# Altium PCB base-32-bit.PcbDoc (part 1 of 3) (continued)
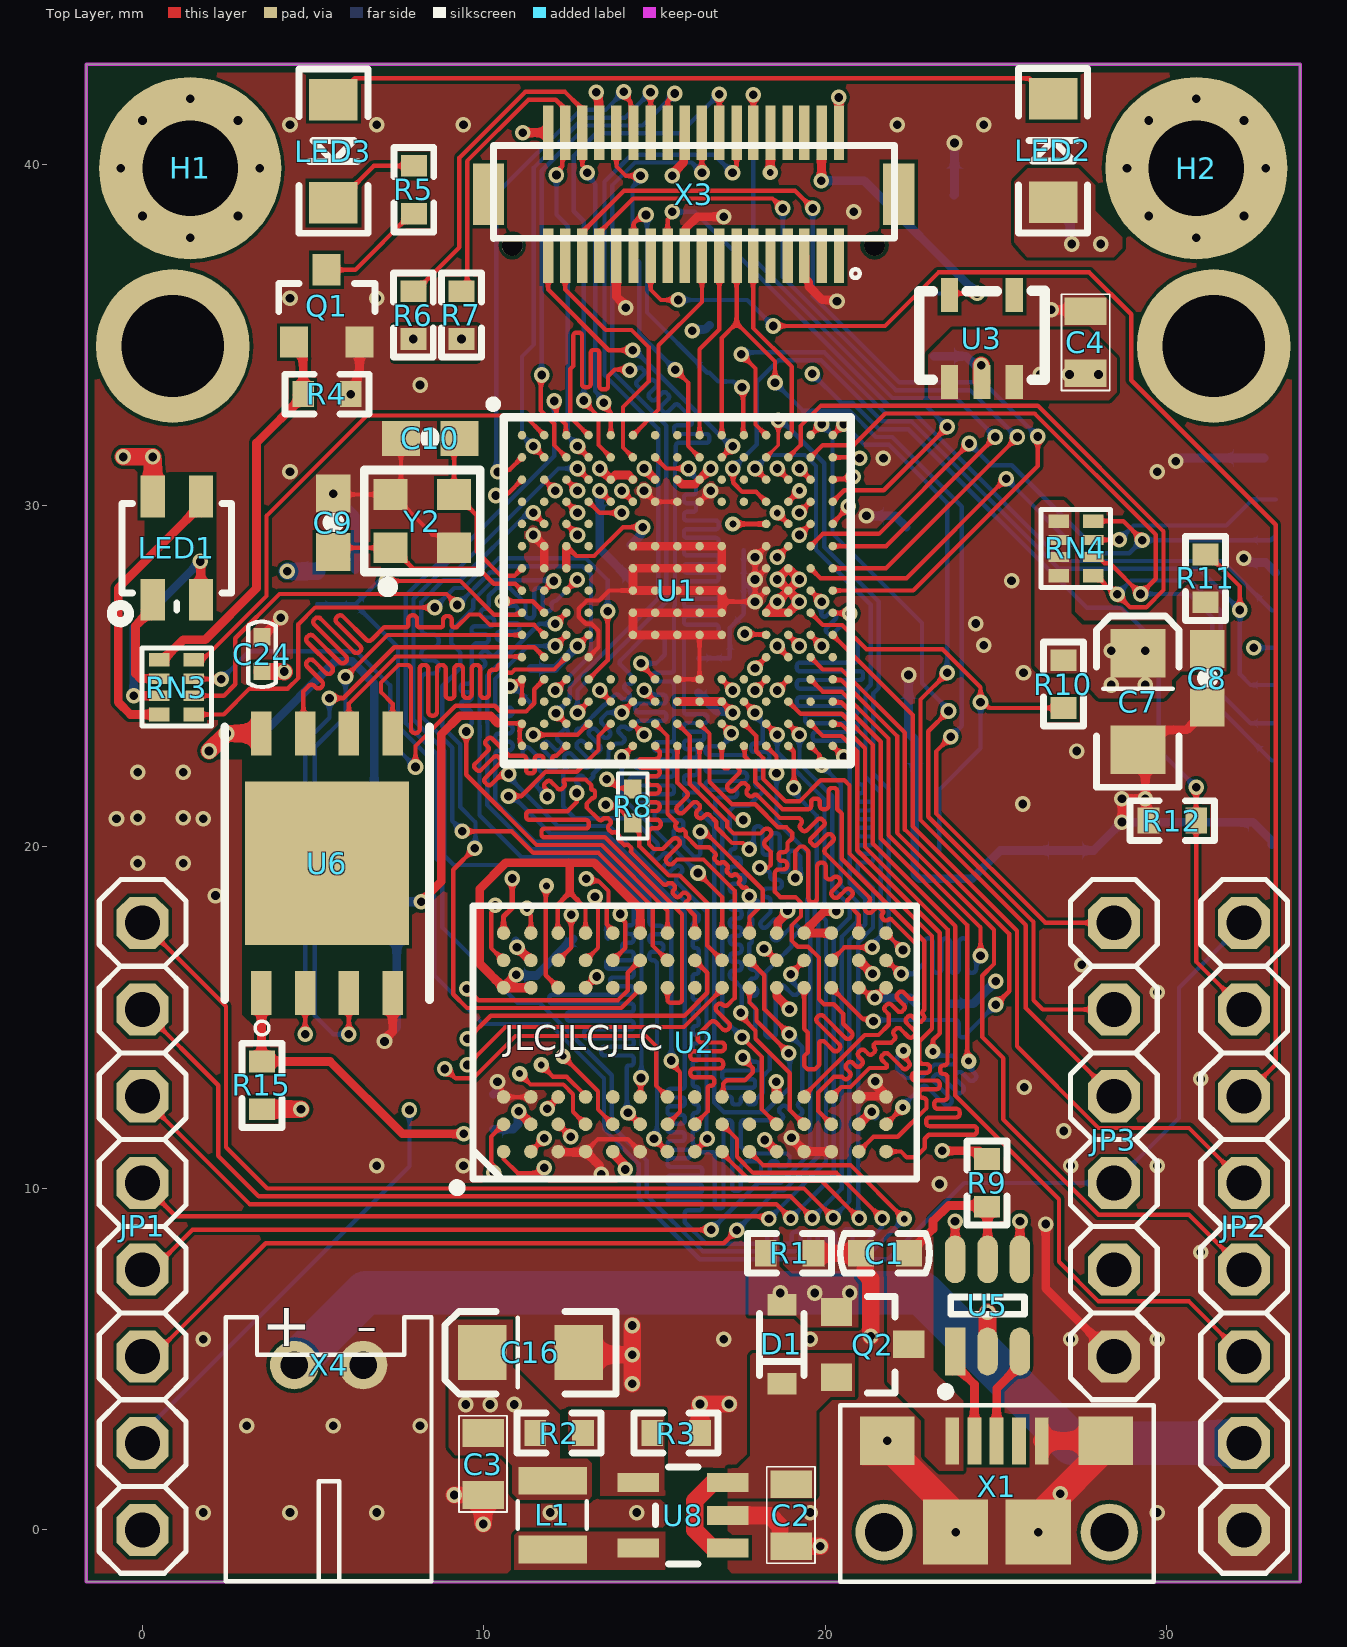
[diagram p0: Top Layer view]
## Footprints (in the part's own frame and the unit in brackets; to place one, negate y for a bottom-side part, rotate by r counter-clockwise, add the part's x,y. Pads: shape width x height; smd on the part's side, far side on the other; paste and mask are expansions set on the pad)
1X06 [mil] "1X06"
  oct 60x60 hole 40: 1(-250,0) 2(-150,0) 3(-50,0) 4(50,0) 5(150,0) 6(250,0)
  silkscreen extent -300,-50 300,50
1X08 [mil] "1X08"
  oct 60x60 hole 40: 1(-350,0) 2(-250,0) 3(-150,0) 4(-50,0) 5(50,0) 6(150,0) 7(250,0) 8(350,0)
  silkscreen extent -400,-50 400,50
2,8-PAD [mil] "2,8-PAD"
  round 210 / inner round 60 / far side round 210 hole 110.24: B2,8(0,0)
0603 [mil] "0603"
  rect 40x40 smd: 1(-31.5,0) 2(32,0)
  silkscreen extent -59,-28 60,28, body extent -31,-17 32,16, height 32
0603-CAP [mil] "0603-CAP"
  rect 44x40 smd: 1(-33.46,0) 2(34,0)
  silkscreen extent 0,-1 0,2, body extent -31,-17 32,16, height 32
0805 [mil] "0805"
  rect 32x48 smd: 1(-35.43,0) 2(36,0)
  silkscreen extent -55,-28 56,28, body extent -39,-24 39,24, height 20
1007 [mil] "1007"
  rect 79x32 smd: 1(0,40) 2(0,-39.37)
  silkscreen extent -39,-16 40,16, body extent -36,-50 35,48, height 70
1040310811 [mm]
  rect 1.2x1 smd: CD$1(11.74,10.1) CD$2(11.74,6.4)
  rect 1.55x1.35 smd: G$1(11.565,0.375)
  rect 1.17x1.8 smd: G$2(0.245,0.6)
  rect 1.9x1.35 smd: G$3(2.27,11.075) G$4(8.24,11.075)
  rect 0.85x1.1 smd: P$1(9.105,0.25) P$2(8.005,0.25) P$3(6.905,0.25) P$4(5.805,0.25) P$5(4.705,0.25) P$6(3.605,0.25) P$7(2.505,0.25)
  rect 0.75x1.1 smd: P$8(1.455,0.25)
  silkscreen extent 0,0 12,11.4, body extent 0.01,0.21 11.96,11.61, height 1.48
BGA-90-8000X13000DE [mil]
  round 15.75 smd: A1(0,0) A2(31.5,0) A3(62.99,0) A7(188.98,0) A8(220.47,0) A9(251.97,0) B1(0,-31.5) B2(31.5,-31.5) B3(62.99,-31.5) B7(188.98,-31.5) B8(220.47,-31.5) B9(251.97,-31.5) C1(0,-62.99) C2(31.5,-62.99) C3(62.99,-62.99) C7(188.98,-62.99) C8(220.47,-62.99) C9(251.97,-62.99) D1(0,-94.49) D2(31.5,-94.49) D3(62.99,-94.49) D7(188.98,-94.49) D8(220.47,-94.49) D9(251.97,-94.49) E1(0,-125.98) E2(31.5,-125.98) E3(62.99,-125.98) E7(188.98,-125.98) E8(220.47,-125.98) E9(251.97,-125.98) F1(0,-157.48) F2(31.5,-157.48) F3(62.99,-157.48) F7(188.98,-157.48) F8(220.47,-157.48) F9(251.97,-157.48) G1(0,-188.98) G2(31.5,-188.98) G3(62.99,-188.98) G7(188.98,-188.98) G8(220.47,-188.98) G9(251.97,-188.98) H1(0,-220.47) H2(31.5,-220.47) H3(62.99,-220.47) H7(188.98,-220.47) H8(220.47,-220.47) H9(251.97,-220.47) J1(0,-251.97) J2(31.5,-251.97) J3(62.99,-251.97) J7(188.98,-251.97) J8(220.47,-251.97) J9(251.97,-251.97) K1(0,-283.46) K2(31.5,-283.46) K3(62.99,-283.46) K7(188.98,-283.46) K8(220.47,-283.46) K9(251.97,-283.46) L1(0,-314.96) L2(31.5,-314.96) L3(62.99,-314.96) L7(188.98,-314.96) L8(220.47,-314.96) L9(251.97,-314.96) M1(0,-346.46) M2(31.5,-346.46) M3(62.99,-346.46) M7(188.98,-346.46) M8(220.47,-346.46) M9(251.97,-346.46) N1(0,-377.95) N2(31.5,-377.95) N3(62.99,-377.95) N7(188.98,-377.95) N8(220.47,-377.95) N9(251.97,-377.95) P1(0,-409.45) P2(31.5,-409.45) P3(62.99,-409.45) P7(188.98,-409.45) P8(220.47,-409.45) P9(251.97,-409.45) R1(0,-440.94) R2(31.5,-440.94) R3(62.99,-440.94) R7(188.98,-440.94) R8(220.47,-440.94) R9(251.97,-440.94)
  silkscreen extent -46,-476 283,58, body extent -31,-476 284,36, height 43
C0402 [mil]
  rect 20x20 smd: 1(-20,1) 2(20,1)
  silkscreen extent -38,-15 38,17, body extent -20,-9 20,11, height 21
C0603 [mil]
  rect 29.92x30 smd: 1(0,0) 2(55,0)
  silkscreen extent -24,-23 79,23, body extent -3,-16 60,16, height 32
DF12-36-DS [mil] "DF12-36-DS"
  round 24 hole 24: 1(-208.66,-59.06) 1(209,-59.06)
  rect 12x63 smd: 1(168,-70.87) 2(168,71) 3(148,-70.87) 4(148,71) 5(128,-70.87) 6(128,71) 7(109,-70.87) 8(109,71) 9(89,-70.87) 10(89,71) 11(69,-70.87) 12(69,71) 13(50,-70.87) 14(50,71) 15(30,-70.87) 16(30,71) 17(10,-70.87) 18(10,71) 19(-9.84,-70.87) 20(-9.84,71) 21(-29.53,-70.87) 22(-29.53,71) 23(-49.21,-70.87) 24(-49.21,71) 25(-68.9,-70.87) 26(-68.9,71) 27(-88.58,-70.87) 28(-88.58,71) 29(-108.27,-70.87) 30(-108.27,71) 31(-127.95,-70.87) 32(-127.95,71) 33(-147.64,-70.87) 34(-147.64,71) 35(-167.32,-70.87) 36(-167.32,71)
  rect 36x71 smd: F1(237,0) F2(-236.22,0)
  silkscreen extent -230,-96 232,56, body extent -238,-91 238,90, height 106
EIA3216 [mil] "EIA3216"
  rect 56x63 smd: A(56,0) C(-55.12,0)
  silkscreen extent -98,-47 99,48, body extent -68,-36 66,35, height 71
JST-PH-2-THM-RA [mil] "JST-PH-2-THM-RA"
  round 56 hole 32: 1(40,0) 2(-39.37,0)
  silkscreen extent -118,-55 119,249, body extent -116,-46 116,253, height 193
LED-1206 [mil] "LED-1206"
  rect 48x56 smd: A(-59.06,0) C(60,0)
  silkscreen extent -94,-39 95,40, body extent -62,-32 64,32, height 40
LED-TRICOLOR-SMD [mil] "LED-TRICOLOR-SMD"
  rect 28x48 smd: A(27.56,-60) B(-28,-60) G(-28,59.06) R(27.56,59.06)
  silkscreen extent -63,-52 75,85, body extent -55,-70 55,67, height 75
MICROUSB-RIGHT [mil] "MICROUSB-RIGHT"
  rect 16x54 smd: 1(-51.18,50) 2(-25.59,50) 3(0,50) 4(26,50) 5(52,50)
  rect 63x56 smd: S(-125.98,50) S(126,50)
  rect 75x75 smd: S(-47.24,-55.31) S(48,-55.31)
  round 66 hole 44: S1(-129.92,-55.31) S2(130,-55.31)
  silkscreen extent -180,-112 181,91, body extent -159,-157 159,62, height 107
OSC-SMD_4P-L2.5-W2.0-BL [mm]
  rect 1x0.9 smd: 1(-0.93,-0.78) 2(0.93,-0.78) 3(0.93,0.78) 4(-0.93,0.78)
  silkscreen extent -1.7,-2.08 1.7,1.5, body extent -1.22,-1.03 1.28,0.97, height 0.55
R0402 [mil]
  rect 22x20 smd: 1(0,0) 2(39,0)
  silkscreen extent -18,-17 57,17, body extent 0,-10 40,10, height 12
R0603 [mil]
  rect 25x30 smd: 1(0,0) 2(55,0)
  silkscreen extent -21,-23 76,23, body extent -3,-16 60,16, height 16
RCA-8P4R-0402 [mm] "2mm*1mm*0.45mm(长*宽*厚)"
  rect 0.4x0.6 smd: 1(-0.8,-0.5) 4(0.8,-0.5) 5(0.8,0.5) 8(-0.8,0.5)
  rect 0.3x0.6 smd: 2(-0.25,-0.5) 3(0.25,-0.5) 6(0.25,0.5) 7(-0.25,0.5)
  silkscreen extent -1.14,-1.02 1.15,1.01, body extent -1,-0.5 1,0.5, height 0.45
SOD-323 [mil] "SOD-323"
  rect 25x33 smd: 1(-45.28,0) 2(46,0)
  silkscreen extent -35,-26 36,26, body extent -53,-26 53,27, height 31
SOT23-3 [mil] "SOT23-3"
  rect 32x36 smd: 1(-37.4,-39.37) 2(38,-39.37) 3(0,44)
  silkscreen extent -55,-4 56,28, body extent -57,-48 58,50, height 40
SOT-23-5 [mm]
  rect 0.508x1 smd: 1(0,0) 2(0.95,0) 3(1.9,0) 4(1.9,2.54) 5(0,2.54)
  silkscreen extent -0.89,0.06 2.79,2.67, body extent -0.5,-0.12 2.4,2.68, height 1.45
SOT-23-6 [mm]
  rect 0.6x1.4 smd: 1(0,0)
  oval 0.6x1.4 smd: 2(0.95,0) 3(1.9,0) 4(1.9,2.7) 5(0.95,2.7) 6(0,2.7)
  silkscreen extent -0.4,-1.3 2.03,1.6, body extent -0.46,0.14 2.34,2.57, height 1.07
TSOT25 [mil] "TSOT25"
  rect 22x48 smd: 1(0,0) 2(37.4,0) 3(75.4,0) 4(75.4,103.18) 5(0,103.18)
  silkscreen extent -19,34 93,83, body extent -20,1 94,111, height 37
UFBGA-201_L10.0-W10.0-P0.65-TL_STM32H743IIK6 [mm]
  round 0.25 smd: A1(-4.274,4.528) A2(-3.624,4.528) A3(-2.974,4.528) A4(-2.324,4.528) A5(-1.674,4.528) A6(-1.024,4.528) A7(-0.374,4.528) A8(0.276,4.528) A9(0.926,4.528) A10(1.576,4.528) A11(2.226,4.528) A12(2.876,4.528) A13(3.526,4.528) A14(4.176,4.528) A15(4.826,4.528) B1(-4.274,3.878) B2(-3.624,3.878) B3(-2.974,3.878) B4(-2.324,3.878) B5(-1.674,3.878) B6(-1.024,3.878) B7(-0.374,3.878) B8(0.276,3.878) B9(0.926,3.878) B10(1.576,3.878) B11(2.226,3.878) B12(2.876,3.878) B13(3.526,3.878) B14(4.176,3.878) B15(4.826,3.878) C1(-4.274,3.228) C2(-3.624,3.228) C3(-2.974,3.228) C4(-2.324,3.228) C5(-1.674,3.228) C6(-1.024,3.228) C7(-0.374,3.228) C8(0.276,3.228) C9(0.926,3.228) C10(1.576,3.228) C11(2.226,3.228) C12(2.876,3.228) C13(3.526,3.228) C14(4.176,3.228) C15(4.826,3.228) D1(-4.274,2.578) D2(-3.624,2.578) D3(-2.974,2.578) D4(-2.324,2.578) D5(-1.674,2.578) D6(-1.024,2.578) D7(-0.374,2.578) D8(0.276,2.578) D9(0.926,2.578) D10(1.576,2.578) D11(2.226,2.578) D12(2.876,2.578) D13(3.526,2.578) D14(4.176,2.578) D15(4.826,2.578) E1(-4.274,1.928) E2(-3.624,1.928) E3(-2.974,1.928) E4(-2.324,1.928) E12(2.876,1.928) E13(3.526,1.928) E14(4.176,1.928) E15(4.826,1.928) F1(-4.274,1.278) F2(-3.624,1.278) F3(-2.974,1.278) F4(-2.324,1.278) F6(-1.024,1.278) F7(-0.374,1.278) F8(0.276,1.278) F9(0.926,1.278) F10(1.576,1.278) F12(2.876,1.278) F13(3.526,1.278) F14(4.176,1.278) F15(4.826,1.278) G1(-4.274,0.628) G2(-3.624,0.628) G3(-2.974,0.628) G4(-2.324,0.628) G6(-1.024,0.628) G7(-0.374,0.628) G8(0.276,0.628) G9(0.926,0.628) G10(1.576,0.628) G12(2.876,0.628) G13(3.526,0.628) G14(4.176,0.628) G15(4.826,0.628) H1(-4.274,-0.022) H2(-3.624,-0.022) H3(-2.974,-0.022) H4(-2.324,-0.022) H6(-1.024,-0.022) H7(-0.374,-0.022) H8(0.276,-0.022) H9(0.926,-0.022) H10(1.576,-0.022) H12(2.876,-0.022) H13(3.526,-0.022) H14(4.176,-0.022) H15(4.826,-0.022) J1(-4.274,-0.672) J2(-3.624,-0.672) J3(-2.974,-0.672) J4(-2.324,-0.672) J6(-1.024,-0.672) J7(-0.374,-0.672) J8(0.276,-0.672) J9(0.926,-0.672) J10(1.576,-0.672) J12(2.876,-0.672) J13(3.526,-0.672) J14(4.176,-0.672) J15(4.826,-0.672) K1(-4.274,-1.322) K2(-3.624,-1.322) K3(-2.974,-1.322) K4(-2.324,-1.322) K6(-1.024,-1.322) K7(-0.374,-1.322) K8(0.276,-1.322) K9(0.926,-1.322) K10(1.576,-1.322) K12(2.876,-1.322) K13(3.526,-1.322) K14(4.176,-1.322) K15(4.826,-1.322) L1(-4.274,-1.972) L2(-3.624,-1.972) L3(-2.974,-1.972) L4(-2.324,-1.972) L12(2.876,-1.972) L13(3.526,-1.972) L14(4.176,-1.972) L15(4.826,-1.972) M1(-4.274,-2.622) M2(-3.624,-2.622) M3(-2.974,-2.622) M4(-2.324,-2.622) M5(-1.674,-2.622) M6(-1.024,-2.622) M7(-0.374,-2.622) M8(0.276,-2.622) M9(0.926,-2.622) M10(1.576,-2.622) M11(2.226,-2.622) M12(2.876,-2.622) M13(3.526,-2.622) M14(4.176,-2.622) M15(4.826,-2.622) N1(-4.274,-3.272) N2(-3.624,-3.272) N3(-2.974,-3.272) N4(-2.324,-3.272) N5(-1.674,-3.272) N6(-1.024,-3.272) N7(-0.374,-3.272) N8(0.276,-3.272) N9(0.926,-3.272) N10(1.576,-3.272) N11(2.226,-3.272) N12(2.876,-3.272) N13(3.526,-3.272) N14(4.176,-3.272) N15(4.826,-3.272) P1(-4.274,-3.922) P2(-3.624,-3.922) P3(-2.974,-3.922) P4(-2.324,-3.922) P5(-1.674,-3.922) P6(-1.024,-3.922) P7(-0.374,-3.922) P8(0.276,-3.922) P9(0.926,-3.922) P10(1.576,-3.922) P11(2.226,-3.922) P12(2.876,-3.922) P13(3.526,-3.922) P14(4.176,-3.922) P15(4.826,-3.922) R1(-4.274,-4.572) R2(-3.624,-4.572) R3(-2.974,-4.572) R4(-2.324,-4.572) R5(-1.674,-4.572) R6(-1.024,-4.572) R7(-0.374,-4.572) R8(0.276,-4.572) R9(0.926,-4.572) R10(1.576,-4.572) R11(2.226,-4.572) R12(2.876,-4.572) R13(3.526,-4.572) R14(4.176,-4.572) R15(4.826,-4.572)
  silkscreen extent -5.22,-5.1 5.36,5.54, body extent -4.75,-5 5.25,5, height 0.67
WSON-8_L8.0-W6.10-P1.27-BL-EP [mm]
  rect 4.8x4.8 smd: 0(0,0)
  rect 0.6x1.3 smd: 1(-1.92,-3.8) 2(-0.64,-3.8) 3(0.64,-3.8) 4(1.92,-3.8) 5(1.92,3.8) 6(0.64,3.8) 7(-0.64,3.8) 8(-1.92,3.8)
  silkscreen extent -3,-5.03 3,4, body extent -3,-3.99 3,4.01, height 0.81

## Part data
C1 C2 C3 C4 C5: library part CAP0805, "CapacitorStandard 0603 ceramic capacitor, and 0.1\" leaded capacitor."
C6 C7 C16: library part CAP_POL1206, "Capacitor PolarizedThese are standard SMD and PTH capacitors. Normally 10uF, 47uF, and 100uF in electrolytic and tantalum varieties. Always verify the external diameter of the through hole cap, it varies with capacity, voltage, and manufacturer. The EIA devices should be standard."
C8 C9 C10 C11 C12: library part CAP0603-CAP, "CapacitorStandard 0603 ceramic capacitor, and 0.1\" leaded capacitor."
C13 C14 C15 C17 C18 C19 C20 C21 C22 C23 C24 C25 C26 C27 C28 C29 C30: library part CAP0402-CAP, "CapacitorStandard 0603 ceramic capacitor, and 0.1\" leaded capacitor."
D1: library part DIODESOD, "DiodeThese are standard reverse protection diodes and small signal diodes. SMA package can handle up to about 1A. SOD-323 can handle about 200mA. What the SOD-323 package when ordering, there are some mfgs out there that are 5-pin packages."
H1 H2: "MOUNTING PAD, round"
JP1 JP2 JP3: "PIN HEADER"
L1: library part INDUCTOR1007, "InductorsBasic Inductor/Choke - 0603 and 1206. Footprints are not proven and vary greatly between part numbers."
L2: library part INDUCTOR0603, "InductorsBasic Inductor/Choke - 0603 and 1206. Footprints are not proven and vary greatly between part numbers."
LED1: "Tri-Color LED SMDProven layout and schematic for triple color LED in SMD package - common anode. Spark Fun Electronics SKU : COM-07844"
LED2 LED3: library part LED1206, "LEDsStandard schematic elements and footprints for 5mm, 3mm, 1206, and 0603 sized LEDs. 5mm - Spark Fun Electronics SKU : COM-00529 (and others)"
Q1: library part MOSFET-NCHANNELSMD
Q2: library part MOSFET-PCHANNELSMD
R1 R2 R3 R4 R5 R6 R7 R9 R10 R11 R12 R13 R14: library part RESISTOR0603-RES, "ResistorBasic schematic elements and footprints for 0603, 1206, and PTH resistors."
R8 R15: library part RESISTOR0402-RES, "ResistorBasic schematic elements and footprints for 0603, 1206, and PTH resistors."
RN3 RN4: library part 排阻_4P
U1: BOM_Manufacturer=STMicroelectronics, BOM_Manufacturer Part=STM32H743IIK6, BOM_Supplier=LCSC, BOM_Supplier Part=C129442, Contributor=LCSC, spicePre=U, spiceSymbolName=STM32H743IIK6, subpart_no=2
U3: BOM_LCSC Assembly=Yes, BOM_Manufacturer=MICRONE, BOM_Manufacturer Part=ME6211C33M5G-N, BOM_Supplier=LCSC, BOM_Supplier Part=C82942, image=//image.lceda.cn/szlcsc/C82942.jpg, SMT Type=Extend, spicePre=L, spiceSymbolName=ME6211C33M5G-N
U5: BOM_LCSC Assembly=Yes, BOM_Manufacturer=STMicroelectronics, BOM_Manufacturer Part=USBLC6-2SC6, BOM_Supplier=LCSC, BOM_Supplier Part=C7519, image=//image.lceda.cn/szlcsc/C7519.jpg, SMT Type=Extend, spicePre=D, spiceSymbolName=USBLC6-2SC6
U6: library part W25Q128JVSQ
U8: library part PAM2305AAB330
X1: library part USB_MICRO_RIGHT, "Library:  MF_Connectors Description: 5 Pin USB Connectors. SLD is the shield connection. Usually tied to ground through a small ferrite bead."
X4: library part JST_2PIN-THM-RA, "JST 2-Pin Connectors of various flavors SMT-RA (S2B-PH-SM4) 4UConnector #17311  SMT  (B2B-PH-SM4)  THM-RA (S2B-PH)  THM  (B2B-PH)"
Y2: library part XTAL-NV-4

## Free pads (board coordinates)
  round 4.5 / inner round 1.524 / far side round 4.5 hole 3: P$1(0.889,34.671) P$1(31.369,34.671)

## Via types
v1: diameter 0.457, hole 0.254, Top Layer to Bottom Layer, tented both sides, 295 vias
v2: diameter 0.457, hole 0.254, Top Layer to Bottom Layer, 36 vias
v3: diameter 0.457/0.457/0.457/0.457 (per signal layer), hole 0.254, Top Layer to Bottom Layer, tented both sides, 16 vias
v4: diameter 0.45, hole 0.203, Top Layer to Bottom Layer, tented both sides, 14 vias

## Nets (pads, with @x,y where several pads share a name; then routed paths per layer and width w, separated by ;. In a path a pad name is that pad's centre, name@x,y a point inside that pad or via, vN(x,y) a via of type N, cw(c..) or ccw(c..) an arc to the next point about the centre after c; other vN are vias at no path point)
BOOT0: JP2.2 R12.2 U1.D6 | length 33
  Top Layer w0.127: v1(14.038,30.435) U1.D6@14.363,30.11 ; v1(30.855,21.747) R12.2@30.855,20.769 30.855,16.643 JP2.2@32.258,15.24
  PWR w0.127: v1(14.038,30.435) 14.038,30.992 17.035,33.989 19.398,33.989 19.525,33.862 v1(19.615,33.862)
  Bottom Layer w0.127: v1(19.615,33.862) 20.469,33.007 20.796,33.007 21.567,32.236 22.428,32.236 27.66,27.004 28.668,27.004 29.762,25.909 29.762,22.84 v1(30.855,21.747)
DAC: JP1.7 U1.P4 | length 27.2
  Top Layer w0.127: v1(11.438,23.285) 12.738,23.285 U1.P4@13.063,23.61
  PWR w0.127: v1(7.816,12.297) 7.816,14.814 9.144,16.142 9.144,18.6 11.176,20.632 11.176,23.023 v1(11.438,23.285)
  Bottom Layer w0.127: JP1.7@0,2.54 0,2.831 7.816,10.647 v1(7.816,12.297)
DCMI_CLK: U1.F15 X3.12 | length 21.2
  Top Layer w0.127: X3.12@17.882,40.919 17.884,40.922 17.884,42.025 v1(17.887,42.028) ; U1.F15@20.213,28.81 21.777,28.81 v1(24.974,32.008)
  Bottom Layer w0.127: v1(17.887,42.028) 17.887,37.23 21.967,33.151 23.831,33.151 v1(24.974,32.008)
DCMI_D0: U1.H15 X3.31 | length 27.4
  Top Layer w0.127: X3.31@12.879,37.316 12.879,37.964 12.967,38.051 12.967,38.09 14.098,39.221 19.107,39.221 v1(19.627,38.7) ; U1.H15@20.213,27.51 22.57,27.51 26.219,31.159 v1(26.219,32.02)
  Bottom Layer w0.127: v1(19.627,38.7) 19.627,36.137 22.157,33.608 24.631,33.608 v1(26.219,32.02)
DCMI_D1: U1.G15 X3.29 | length 24.4
  Top Layer w0.127: X3.29@13.379,37.316 13.379,38.002 14.37,38.993 18.45,38.993 18.742,38.7 v1(18.751,38.7) ; U1.G15@20.213,28.16 21.774,28.16 v1(25.622,32.008)
  Bottom Layer w0.127: v1(18.751,38.7) 18.751,36.69 22.062,33.379 24.23,33.379 25.601,32.008 v1(25.622,32.008)
DCMI_D2: U1.B10 X3.35 | length 8.8
  Top Layer w0.127: X3.35@11.879,37.316 11.879,36.325 13.657,34.548 v1(14.357,34.548) ; U1.B10@16.963,31.41 v1(17.288,31.735)
  Bottom Layer w0.127: v1(14.357,34.548) 14.416,34.548 17.229,31.735 v1(17.288,31.735)
DCMI_D3: U1.B9 X3.28 | length 11
  Top Layer w0.127: X3.28@13.879,40.919 13.879,39.929 14.155,39.653 v1(14.585,39.653) ; v1(15.601,33.976) 15.977,33.6 15.977,31.746 U1.B9@16.313,31.41
  Bottom Layer w0.127: v1(14.585,39.653) 14.585,39.564 14.351,39.329 14.351,37.322 14.547,37.126 14.547,35.03 v1(15.601,33.976)
DCMI_D4: U1.B1 X3.26 | length 15.3
  Top Layer w0.127: v1(10.402,30.984) 10.465,31.047 10.75,31.047 U1.B1@11.113,31.41 ; v1(14.09,42.117) 14.09,42.027 14.29,41.827 14.29,41.008 X3.26@14.379,40.919
  Bottom Layer w0.127: v1(10.402,30.984) 10.359,31.027 10.359,39.119 12.826,41.586 13.559,41.586 v1(14.09,42.117)
DCMI_D5: U1.B6 X3.33 | length 7.8
  Top Layer w0.127: X3.33@12.379,37.316 12.379,36.325 13.563,35.141 14.32,35.141 14.821,34.64 14.821,33.631 14.073,32.883 14.073,31.7 U1.B6@14.363,31.41
DCMI_D6: U1.B2 X3.24 | length 14.4
  Top Layer w0.127: v1(11.438,31.735) U1.B2@11.763,31.41 ; X3.24@14.879,40.919 v1@14.878,42.103
  Bottom Layer w0.127: v1(11.438,31.735) 11.112,32.061 11.112,34.366 11.461,34.715 11.461,39.898 12.921,41.357 14.131,41.357 v1(14.877,42.104)
DCMI_D7: U1.B3 X3.22 | length 14.8
  Top Layer w0.127: v1(11.69,33.824) 11.664,33.798 11.664,32.781 12.053,32.392 12.053,31.77 U1.B3@12.413,31.41 ; X3.22@15.379,40.919 15.379,41.839 15.589,42.049 v1(15.589,42.066)
  Bottom Layer w0.127: v1(11.69,33.824) 11.69,39.803 13.015,41.129 14.651,41.129 v1(15.589,42.066)
DCMI_FSIN: JP2.3 X3.23 | length 41.7
  Top Layer w0.127: X3.23@14.879,37.316 14.879,36.325 15.184,36.021 v1(15.69,36.021) ; v1(18.472,35.259) 21.743,35.259 23.311,36.827 27.727,36.827 28.954,35.6 28.954,33.671 33.185,29.439 33.185,13.627 JP2.3@32.258,12.7
  Bottom Layer w0.127: v1(15.69,36.021) 17.71,36.021 v1(18.472,35.259)
DCMI_HSYNC: U1.N4 X3.18 | length 21.8
  Top Layer w0.127: v1(12.738,23.935) U1.N4@13.063,24.26 ; v1(16.383,39.749) X3.18@16.383,40.919
  Bottom Layer w0.127: v1(12.738,23.935) 12.738,24.588 15.335,27.185 15.335,32.34 13.76,33.915 13.76,39.384 14.422,40.047 16.085,40.047 v1(16.383,39.749)
DCMI_PCLK: U1.P3 X3.14 | length 23.4
  Top Layer w0.127: v1(12.109,23.918) v1(12.109,23.918) 12.413,23.612 U1.P3@12.413,23.61 ; v1(17.278,39.742) 17.278,39.831 17.399,39.952 X3.14@17.399,40.919
  Bottom Layer w0.127: v1(12.109,23.918) 12.509,24.318 12.509,24.683 15.106,27.28 15.106,32.245 13.531,33.82 13.531,39.479 14.328,40.275 16.744,40.275 v1(17.278,39.742)
DCMI_PWDN: R14.1 U1.A11 X3.25 | length 9.4
  Top Layer w0.127: X3.25@14.379,37.316 14.382,37.319 14.382,38.269 14.561,38.447 14.681,38.447 v1(14.744,38.51) ; v1(17.557,33.468) 17.59,33.436 17.59,32.083 U1.A11@17.613,32.06
  Bottom Layer w0.127: v1(14.744,38.51) 14.776,38.479 14.776,35.652 16.541,33.887 R14.1@16.605,33.887 16.859,33.633 17.303,33.633 17.468,33.468 v1(17.557,33.468)
DCMI_RST: U1.D15 X3.21 | length 16.3
  Top Layer w0.127: X3.21@15.379,37.316 15.379,38.376 15.512,38.509 v1(15.512,38.599) ; U1.D15@20.213,30.11 20.549,30.445 21.707,30.445 v1(23.564,32.303)
  Bottom Layer w0.127: v1(15.512,38.599) 16.174,38.599 21.838,32.935 21.86,32.935 21.873,32.922 22.945,32.922 v1(23.564,32.303)
DCMI_VSYNC: U1.B5 X3.16 | length 15.4
  Top Layer w0.127: v1(12.922,33.074) 12.922,33.038 13.353,32.607 13.353,31.77 U1.B5@13.713,31.41 ; X3.16@16.891,40.919 v1(16.891,42.047)
  Bottom Layer w0.127: v1(12.922,33.074) 12.922,38.323 12.63,38.615 12.63,40.239 13.29,40.9 15.744,40.9 v1(16.891,42.047)
DRAM_A0: U1.E2 U2.G8 | length 21.7
  Top Layer w0.127: v1(9.359,20.457) 10.816,20.457 11.445,19.828 13.352,19.828 14.939,18.241 14.939,17.115 U2.G8@15.374,16.68 ; v1(11.438,29.785) U1.E2@11.763,29.46
  Bottom Layer w0.127: v1(9.359,20.457) 9.359,20.478 9.074,20.764 9.074,22.911 8.166,23.818 8.166,24.909 cw(c8.338,24.909) 8.338,25.08 8.503,25.08 ccw(c8.503,25.252) 8.674,25.252 8.674,25.29 ccw(c8.503,25.29) 8.503,25.461 8.338,25.461 cw(c8.338,25.633) 8.166,25.633 8.166,25.671 cw(c8.338,25.671) 8.338,25.842 8.503,25.842 ccw(c8.503,26.014) 8.674,26.014 8.674,26.052 ccw(c8.503,26.052) 8.503,26.223 8.338,26.223 cw(c8.338,26.395) 8.166,26.395 8.166,27.176 8.803,27.813 9.303,27.813 11.275,29.785 v1(11.438,29.785)
DRAM_A1: U1.H3 U2.G9 | length 21.9
  Top Layer w0.127: v1(9.48,23.384) 9.48,22.116 11.539,20.057 13.447,20.057 15.374,18.13 U2.G9@15.374,17.48 ; U1.H3@12.413,27.51 v1(12.731,27.829)
  Bottom Layer w0.127: v1@9.429,23.513 cw(c9.429,23.463) v1@9.48,23.463 ; v1(9.48,23.384) v1@9.48,23.463 ; v1(12.731,27.829) 12.105,27.203 12.093,27.203 ccw(c12.093,27.089) 11.978,27.089 11.978,27.014 cw(c11.864,27.014) 11.864,26.899 11.839,26.899 cw(c11.839,27.014) 11.724,27.014 11.724,27.474 ccw(c11.61,27.474) 11.61,27.588 11.585,27.588 ccw(c11.585,27.474) 11.47,27.474 11.47,26.81 cw(c11.356,26.81) 11.356,26.695 11.331,26.695 cw(c11.331,26.81) 11.216,26.81 11.216,27.129 10.757,27.588 10.371,27.588 10.14,27.357 10.14,27.091 cw(c10.026,27.091) 10.026,26.976 10.021,26.976 ccw(c10.021,26.862) 9.907,26.862 9.907,26.837 ccw(c10.021,26.837) 10.021,26.722 10.191,26.722 cw(c10.191,26.608) 10.305,26.608 10.305,26.583 cw(c10.191,26.583) 10.191,26.468 9.747,26.468 ccw(c9.747,26.354) 9.632,26.354 9.632,26.341 ccw(c9.747,26.341) 9.747,26.227 10.026,26.227 cw(c10.026,26.113) 10.14,26.113 10.14,26.087 cw(c10.026,26.087) 10.026,25.973 9.755,25.973 9.639,25.857 9.639,24.898 cw(c9.525,24.898) 9.525,24.783 9.429,24.783 ccw(c9.429,24.669) 9.315,24.669 9.315,24.644 ccw(c9.429,24.644) 9.429,24.529 9.525,24.529 cw(c9.525,24.415) 9.639,24.415 9.639,24.39 cw(c9.525,24.39) 9.525,24.275 9.429,24.275 ccw(c9.429,24.161) 9.315,24.161 9.315,24.136 ccw(c9.429,24.136) 9.429,24.021 9.525,24.021 cw(c9.525,23.907) 9.639,23.907 9.639,23.622 v1@9.48,23.463
DRAM_A2: U1.H2 U2.F7 | length 21.7
  Top Layer w0.127: v1(9.734,19.968) 9.099,19.333 9.099,15.69 9.503,15.286 14.02,15.286 14.574,15.841 U2.F7@14.574,15.88 ; U1.H2@11.763,27.51 v1(12.045,27.791)
  Bottom Layer w0.127: v1(9.734,19.968) 9.753,19.987 9.753,20.721 9.302,21.172 9.302,23.005 8.776,23.532 8.776,24.704 9.309,25.238 9.309,25.692 9.039,25.962 9.039,26.336 9.681,26.979 9.681,27.221 10.276,27.817 12.02,27.817 v1(12.045,27.791)
DRAM_A3: U1.J2 U2.F3 | length 21.7
  Top Layer w0.127: v1(10.534,27.194) 11.429,27.194 U1.J2@11.763,26.86 ; U2.F3@14.574,12.68 14.586,12.692 14.586,13.225 v1(14.598,13.237)
  Bottom Layer w0.127: v1(10.534,27.194) 10.534,27.182 ccw(c10.648,27.182) 10.648,27.067 10.873,27.067 cw(c10.873,26.953) 10.988,26.953 10.988,26.928 cw(c10.873,26.928) 10.873,26.813 10.648,26.813 ccw(c10.648,26.699) 10.534,26.699 10.534,26.674 ccw(c10.648,26.674) 10.648,26.559 10.928,26.559 cw(c10.928,26.445) 11.042,26.445 11.042,26.42 cw(c10.928,26.42) 10.928,26.305 10.483,26.305 ccw(c10.483,26.191) 10.369,26.191 10.369,26.166 ccw(c10.483,26.166) 10.483,26.051 cw(c10.483,26) 10.534,26 10.534,25.825 10.346,25.636 cw(c10.265,25.717) 10.184,25.636 10.109,25.711 ccw(c10.028,25.63) 9.948,25.711 9.93,25.693 ccw(c10.01,25.612) 9.93,25.531 10.004,25.457 cw(c9.923,25.376) 10.004,25.295 9.868,25.159 9.868,23.553 9.874,23.547 9.874,23.221 9.868,23.215 9.868,20.93 11.096,19.701 13.3,19.701 14.611,18.39 14.611,13.25 v1(14.598,13.237)
DRAM_A4: U1.J3 U2.G1 | length 21.8
  Top Layer w0.127: v1(12.088,26.535) U1.J3@12.413,26.86 ; v1(14.979,11.459) 14.987,11.459 15.366,11.08 U2.G1@15.374,11.08
  Bottom Layer w0.127: v1(12.088,26.535) 11.617,26.535 10.096,25.015 10.096,23.648 10.102,23.642 10.102,23.126 10.096,23.121 10.096,21.231 11.397,19.93 13.394,19.93 14.839,18.485 14.839,17.812 ccw(c14.954,17.812) 14.954,17.697 15.144,17.697 cw(c15.144,17.583) 15.258,17.583 15.258,17.558 cw(c15.144,17.558) 15.144,17.443 14.954,17.443 ccw(c14.954,17.329) 14.839,17.329 14.839,17.304 ccw(c14.954,17.304) 14.954,17.189 15.144,17.189 cw(c15.144,17.075) 15.258,17.075 15.258,17.05 cw(c15.144,17.05) 15.144,16.935 14.954,16.935 ccw(c14.954,16.821) 14.839,16.821 ; 14.839,16.796 ccw(c14.954,16.796) 14.954,16.681 cw(c14.954,16.567) 15.068,16.567 15.068,11.472 14.966,11.472 v1(14.979,11.459)
DRAM_A5: U1.K3 U2.G2 | length 21.7
  Top Layer w0.127: v1(12.088,25.885) U1.K3@12.413,26.21 ; U2.G2@15.374,11.88 15.739,12.245 15.739,13.404 15.487,13.657 v1(15.487,13.745)
  Bottom Layer w0.127: v1(12.088,25.885) 11.29,25.885 10.325,24.92 10.325,24.219 10.331,24.213 10.331,24.2 ccw(c10.445,24.2) 10.445,24.086 10.725,24.086 cw(c10.725,23.972) 10.839,23.972 10.839,23.946 cw(c10.725,23.946) 10.725,23.832 10.445,23.832 ccw(c10.445,23.718) 10.331,23.718 10.331,23.692 ccw(c10.445,23.692) 10.445,23.578 10.725,23.578 cw(c10.725,23.464) 10.839,23.464 10.839,23.438 cw(c10.725,23.438) 10.725,23.324 10.445,23.324 ccw(c10.445,23.21) 10.331,23.21 10.331,23.197 ccw(c10.445,23.197) 10.445,23.083 10.725,23.083 cw(c10.725,22.969) 10.839,22.969 10.839,22.943 cw(c10.725,22.943) 10.725,22.829 10.445,22.829 ccw(c10.445,22.715) 10.331,22.715 10.331,22.3 10.33,22.299 10.33,21.973 10.331,21.972 10.331,21.657 10.325,21.651 10.325,21.325 11.492,20.158 13.489,20.158 15.487,18.16 v1(15.487,13.745)
DRAM_A6: U1.P6 U2.G3 | length 21.8
  Top Layer w0.127: v1(8.852,13.5) 8.893,13.5 9.169,13.224 9.681,13.224 10.922,14.465 14.745,14.465 15.042,14.168 15.042,13.013 U2.G3@15.374,12.68 ; U1.P6@14.363,23.61 v1(14.688,23.285)
  PWR w0.127: v1(8.852,13.5) 8.687,13.665 8.687,14.49 9.937,15.741 9.937,18.747 12.249,21.058 12.249,21.668 13.61,23.029 14.352,23.029 14.608,23.285 v1(14.688,23.285)
DRAM_A7: U1.N6 U2.H1 | length 21.8
  Top Layer w0.127: v1(14.038,23.935) U1.N6@14.363,24.26 ; U2.H1@16.174,11.086 v1@16.541,11.453
  Bottom Layer w0.127: v1(14.038,23.935) 13.618,23.935 13.46,23.777 ccw(c13.541,23.696) 13.46,23.615 13.672,23.403 cw(c13.591,23.322) 13.672,23.242 13.654,23.224 cw(c13.573,23.304) 13.492,23.224 13.28,23.435 ccw(c13.199,23.355) 13.119,23.435 13.101,23.417 ccw(c13.181,23.337) 13.101,23.256 13.382,22.974 cw(c13.301,22.893) 13.382,22.813 13.364,22.795 cw(c13.283,22.875) 13.203,22.795 12.921,23.076 ccw(c12.84,22.995) 12.759,23.076 12.741,23.058 ccw(c12.822,22.977) 12.741,22.897 13.102,22.536 cw(c13.021,22.455) 13.102,22.374 13.084,22.356 cw(c13.003,22.437) 12.922,22.356 12.562,22.717 ccw(c12.481,22.636) 12.4,22.717 12.382,22.699 ccw(c12.463,22.618) 12.382,22.537 12.446,22.474 cw(c12.381,22.408) 12.446,22.343 12.325,22.222 12.325,21.178 12.658,20.844 14.338,20.844 15.059,20.123 cw(c14.979,20.042) 15.059,19.961 14.938,19.84 ccw(c15.019,19.76) 14.938,19.679 14.956,19.661 ccw(c15.037,19.742) 15.118,19.661 15.239,19.782 cw(c15.32,19.701) 15.401,19.782 15.419,19.764 cw(c15.338,19.683) 15.419,19.602 15.298,19.481 ccw(c15.378,19.4) 15.298,19.32 15.316,19.302 ccw(c15.396,19.382) 15.477,19.302 15.598,19.423 cw(c15.679,19.342) 15.76,19.423 15.778,19.405 cw(c15.697,19.324) 15.778,19.243 15.657,19.122 ccw(c15.738,19.041) 15.657,18.96 15.675,18.942 16.516,18.101 16.516,11.483 v1(16.541,11.459)
DRAM_A8: U1.R7 U2.H2 | length 23
  Top Layer w0.127: U1.R7@15.013,22.96 15.013,22.927 15.144,22.795 15.144,22.693 cw(c15.03,22.693) 15.03,22.579 14.619,22.579 ccw(c14.619,22.465) 14.505,22.465 14.505,22.439 ccw(c14.619,22.439) 14.619,22.325 15.03,22.325 cw(c15.03,22.211) 15.144,22.211 15.144,22.185 cw(c15.03,22.185) 15.03,22.071 14.89,22.071 ccw(c14.89,21.957) 14.776,21.957 14.776,21.931 ccw(c14.89,21.931) 14.89,21.817 15.03,21.817 cw(c15.03,21.703) 15.144,21.703 15.144,21.677 cw(c15.03,21.677) 15.03,21.563 14.89,21.563 ccw(c14.89,21.449) 14.776,21.449 14.776,21.423 ccw(c14.89,21.423) 14.89,21.309 15.03,21.309 cw(c15.03,21.195) 15.144,21.195 15.144,21.169 cw(c15.03,21.169) 15.03,21.055 14.89,21.055 ccw(c14.89,20.941) 14.776,20.941 14.776,20.915 ccw(c14.89,20.915) 14.89,20.801 15.06,20.801 cw(c15.06,20.687) 15.174,20.687 15.174,20.661 cw(c15.06,20.661) 15.06,20.547 14.908,20.547 14.834,20.472 14.834,20.079 14.973,19.939 15.238,19.939 15.523,20.224 cw(c15.604,20.143) 15.684,20.224 15.702,20.206 cw(c15.622,20.125) 15.702,20.044 15.358,19.7 ccw(c15.439,19.62) 15.358,19.539 15.376,19.521 ccw(c15.457,19.602) 15.538,19.521 15.651,19.633 16.429,19.633 17.339,18.723 17.339,15.574 17.143,15.378 cw(c17.07,15.451) 16.996,15.378 ccw(c16.916,15.297) 16.835,15.378 16.817,15.36 ccw(c16.898,15.279) 16.817,15.198 17.169,14.846 cw(c17.088,14.766) 17.169,14.685 17.151,14.667 cw(c17.07,14.748) 16.989,14.667 16.791,14.864 ccw(c16.711,14.784) 16.63,14.864 16.256,14.491 16.256,14.349 16.33,14.275 16.942,14.275 cw(c16.942,14.16) 17.056,14.16 17.056,14.135 cw(c16.942,14.135) 16.942,14.021 16.154,14.021 ccw(c16.154,13.906) 16.04,13.906 16.04,13.881 ccw(c16.154,13.881) 16.154,13.767 16.891,13.767 cw(c16.891,13.652) 17.005,13.652 17.005,13.627 cw(c16.891,13.627) 16.891,13.513 16.154,13.513 ccw(c16.154,13.399) 16.04,13.399 16.04,13.373 ccw(c16.154,13.373) 16.154,13.259 16.631,13.259 cw(c16.631,13.144) 16.745,13.144 16.745,13.119 cw(c16.631,13.119) 16.631,13.005 ccw(c16.631,12.922) 16.548,12.922 16.548,12.254 U2.H2@16.174,11.88
DRAM_A9: U1.P7 U2.J3 | length 22.3
  Top Layer w0.127: U1.P7@15.013,23.61 15.373,23.25 15.373,20.975 15.642,20.705 15.636,20.699 ccw(c15.717,20.618) 15.636,20.538 15.654,20.52 ccw(c15.735,20.6) 15.816,20.52 ; 15.816,20.52 15.822,20.526 15.913,20.434 15.913,20.319 16.242,19.99 16.599,19.99 16.688,19.9 ; 16.689,19.9 16.767,19.822 cw(c16.716,19.771) 16.767,19.72 ccw(c16.817,19.67) 16.767,19.619 16.845,19.541 ccw(c16.896,19.591) 16.946,19.541 cw(c16.997,19.49) 17.048,19.541 ; U2.J3@16.974,12.68 17.007,12.713 17.007,13.07 17.107,13.17 17.64,13.17 17.869,13.399 17.869,13.527 17.583,13.814 v1(17.583,13.834) ; 17.048,19.541 17.126,19.463 cw(c17.075,19.412) 17.126,19.361 ccw(c17.177,19.311) 17.126,19.26 17.204,19.182 ccw(c17.255,19.232) 17.306,19.182 cw(c17.356,19.131) 17.407,19.182 17.485,19.104 cw(c17.434,19.053) 17.485,19.002 ccw(c17.536,18.951) 17.485,18.901 17.563,18.822 ccw(c17.614,18.873) 17.665,18.822 17.773,18.714 v1(17.773,18.562)
  Bottom Layer w0.127: v1(17.583,13.834) 17.583,13.796 ccw(c17.671,13.796) 17.671,13.707 17.974,13.707 cw(c17.974,13.618) 18.063,13.618 18.063,13.542 cw(c17.974,13.542) 17.974,13.453 17.063,13.453 ccw(c17.063,13.364) 16.974,13.364 16.974,13.288 ccw(c17.063,13.288) 17.063,13.199 17.849,13.199 cw(c17.849,13.11) 17.938,13.11 17.938,13.034 cw(c17.849,13.034) 17.849,12.945 17.063,12.945 ccw(c17.063,12.856) 16.974,12.856 16.974,12.78 ccw(c17.063,12.78) 17.063,12.691 17.174,12.691 cw(c17.174,12.602) 17.263,12.602 17.263,12.548 ccw(c17.352,12.548) 17.352,12.459 17.428,12.459 ccw(c17.428,12.548) 17.517,12.548 17.517,12.602 cw(c17.606,12.602) 17.606,12.691 17.644,12.691 cw(c17.644,12.623) 17.711,12.623 17.711,12.548 ccw(c17.8,12.548) 17.8,12.459 17.876,12.459 ccw(c17.876,12.548) 17.965,12.548 17.965,12.602 18.167,12.803 18.167,13.286 18.364,13.483 18.364,13.969 17.951,14.382 17.951,14.663 17.945,14.668 17.945,15.291 17.773,15.463 17.773,15.527 cw(c17.887,15.527) 17.887,15.641 17.889,15.641 ccw(c17.889,15.755) 18.003,15.755 18.003,15.781 ccw(c17.889,15.781) 17.889,15.895 17.887,15.895 cw(c17.887,16.009) 17.773,16.009 17.773,16.035 cw(c17.887,16.035) 17.887,16.149 17.889,16.149 ccw(c17.889,16.263) 18.003,16.263 18.003,16.289 ccw(c17.889,16.289) 17.889,16.403 17.887,16.403 cw(c17.887,16.517) 17.773,16.517 17.773,17.165 ccw(c17.773,17.231) 17.839,17.231 17.839,17.353 ccw(c17.773,17.353) 17.773,17.419 17.773,17.673 ccw(c17.773,17.765) 17.865,17.765 17.865,17.835 ccw(c17.773,17.835) 17.773,17.927 17.773,18.067 cw(c17.887,18.067) 17.887,18.181 17.957,18.181 ccw(c17.957,18.295) 18.072,18.295 18.072,18.321 ccw(c17.957,18.321) 17.957,18.435 17.887,18.435 cw(c17.887,18.549) 17.773,18.549 v1(17.773,18.562)
DRAM_A10: U1.N7 U2.G7 | length 22.2
  Top Layer w0.127: v1(12.718,21.581) 12.718,21.316 12.45,21.047 11.325,21.047 ccw(c11.325,20.959) 11.236,20.959 11.236,20.882 ccw(c11.325,20.882) 11.325,20.793 12.979,20.793 cw(c12.979,20.705) 13.068,20.705 13.068,20.628 cw(c12.979,20.628) 12.979,20.539 11.773,20.539 ccw(c11.773,20.451) 11.684,20.451 11.684,20.374 ccw(c11.773,20.374) 11.773,20.285 13.542,20.285 15.799,18.028 15.799,15.532 cw(c15.71,15.532) 15.71,15.443 15.463,15.443 cw(c15.463,15.532) 15.374,15.532 U2.G7@15.374,15.88 ; v1(14.688,24.585) U1.N7@15.013,24.26
  Bottom Layer w0.127: v1(12.718,21.581) 12.718,21.668 12.762,21.711 ccw(c12.699,21.774) 12.762,21.837 12.71,21.889 cw(c12.773,21.952) 12.71,22.014 12.764,22.068 cw(c12.826,22.005) 12.889,22.068 13.004,21.953 ccw(c13.051,22) 13.097,21.953 13.184,22.04 ccw(c13.137,22.087) 13.184,22.133 13.644,22.594 13.644,22.814 13.859,23.029 14.041,23.029 14.095,23.082 ccw(c14.032,23.145) 14.095,23.208 13.96,23.344 cw(c14.023,23.407) 13.96,23.469 14.014,23.523 14.139,23.523 14.184,23.479 ccw(c14.247,23.542) 14.309,23.479 14.526,23.696 15.246,23.696 ccw(c15.246,23.785) 15.335,23.785 15.335,23.861 ccw(c15.246,23.861) 15.246,23.95 14.521,23.95 cw(c14.521,24.039) 14.432,24.039 14.432,24.115 cw(c14.521,24.115) 14.521,24.204 15.246,24.204 ccw(c15.246,24.293) 15.335,24.293 15.335,24.369 ccw(c15.246,24.369) 15.246,24.458 14.777,24.458 cw(c14.777,24.547) 14.688,24.547 v1(14.688,24.585)
DRAM_A11: U1.M7 U2.H9 | length 22.3
  Top Layer w0.127: v1(11.855,21.479) 11.882,21.506 ccw(c11.819,21.569) 11.882,21.632 11.782,21.732 cw(c11.845,21.795) 11.782,21.858 11.836,21.911 cw(c11.899,21.849) 11.961,21.911 12.164,21.709 ccw(c12.227,21.772) 12.29,21.709 12.344,21.763 ccw(c12.281,21.826) 12.344,21.888 cw(c12.383,21.928) 12.344,21.968 12.35,21.975 12.976,21.975 13.144,21.806 13.144,21.697 ccw(c13.163,21.697) 13.163,21.679 cw(c13.163,21.59) 13.252,21.59 13.252,21.514 cw(c13.163,21.514) 13.163,21.425 13.005,21.267 13.005,21.158 13.351,20.812 ccw(c13.414,20.875) 13.477,20.812 13.509,20.844 13.635,20.844 13.689,20.79 cw(c13.626,20.727) 13.689,20.665 13.656,20.632 ccw(c13.719,20.569) 13.656,20.507 13.755,20.408 13.758,20.411 cw(c13.821,20.348) 13.884,20.411 13.937,20.357 cw(c13.875,20.294) 13.937,20.231 13.935,20.228 14.114,20.049 cw(c14.174,19.989) 14.234,20.049 14.294,19.989 cw(c14.234,19.929) 14.294,19.869 15.245,18.918 ccw(c15.308,18.981) 15.371,18.918 15.389,18.936 15.514,18.936 15.568,18.882 cw(c15.505,18.819) 15.568,18.756 15.55,18.738 ccw(c15.613,18.675) 15.55,18.613 15.604,18.559 ccw(c15.667,18.621) 15.73,18.559 15.81,18.638 cw(c15.872,18.575) 15.935,18.638 15.989,18.584 cw(c15.926,18.521) 15.989,18.458 15.91,18.379 ccw(c15.973,18.316) 15.91,18.253 16.174,17.989 U2.H9@16.174,17.48 ; v1(14.598,25.377) 14.598,25.351 15.013,24.936 U1.M7@15.013,24.91
  Bottom Layer w0.127: v1(11.855,21.479) 11.84,21.479 11.546,21.773 11.546,21.878 11.713,22.045 11.713,22.151 11.152,22.712 cw(c11.215,22.774) 11.152,22.837 11.206,22.891 cw(c11.269,22.828) 11.332,22.891 11.939,22.284 ccw(c12.001,22.347) 12.064,22.284 12.118,22.338 ccw(c12.055,22.401) 12.118,22.464 11.709,22.873 cw(c11.772,22.936) 11.709,22.999 11.763,23.053 cw(c11.826,22.99) 11.889,23.053 12.088,22.854 ccw(c12.151,22.916) 12.214,22.854 12.267,22.907 ccw(c12.205,22.97) 12.267,23.033 12.163,23.137 cw(c12.226,23.2) 12.163,23.263 12.37,23.47 cw(c12.37,23.391) 12.449,23.391 12.449,23.379 ccw(c12.537,23.379) 12.537,23.291 12.614,23.291 ccw(c12.614,23.379) 12.703,23.379 12.703,23.381 cw(c12.791,23.381) 12.791,23.47 12.83,23.47 13.523,24.163 13.546,24.163 13.826,24.443 cw(c13.888,24.38) 13.951,24.443 14.065,24.329 14.191,24.329 14.245,24.382 ccw(c14.182,24.445) 14.245,24.508 14.131,24.622 cw(c14.194,24.685) 14.131,24.748 14.158,24.775 14.322,24.775 14.375,24.829 ccw(c14.313,24.892) 14.375,24.955 13.994,25.336 cw(c14.057,25.399) 13.994,25.462 14.739,26.207 15.17,26.207 15.291,26.086 15.291,25.629 15.039,25.377 v1(14.598,25.377) ; v1@14.627,25.406 v1@14.661,25.44
DRAM_BA0: U1.K14 U2.J7 | length 44.8
  Top Layer w0.127: v1(9.518,13.618) 10.626,14.726 15.86,14.726 16.974,15.841 U2.J7@16.974,15.88 ; U1.K14@19.563,26.21 v1(19.888,25.885)
  PWR w0.127: v1(9.518,13.618) 9.875,13.975 cw(c9.938,13.912) 10.001,13.975 10.121,13.855 ccw(c10.184,13.918) 10.246,13.855 10.3,13.909 ccw(c10.237,13.971) 10.3,14.034 9.961,14.374 cw(c10.024,14.437) 9.961,14.499 10.015,14.553 cw(c10.078,14.49) 10.141,14.553 10.48,14.214 ccw(c10.543,14.277) 10.606,14.214 10.659,14.268 ccw(c10.597,14.331) 10.659,14.394 10.539,14.514 cw(c10.602,14.576) 10.539,14.639 10.612,14.712 ccw(c10.549,14.775) 10.612,14.837 10.518,14.931 cw(c10.581,14.994) 10.518,15.057 10.572,15.111 cw(c10.635,15.048) 10.698,15.111 11.037,14.771 ccw(c11.1,14.834) 11.163,14.771 11.217,14.825 ccw(c11.154,14.888) 11.217,14.951 10.878,15.29 cw(c10.94,15.353) 10.878,15.416 10.931,15.47 cw(c10.994,15.407) 11.057,15.47 11.397,15.131 ccw(c11.459,15.193) 11.522,15.131 11.576,15.184 ccw(c11.513,15.247) 11.576,15.31 11.456,15.43 cw(c11.519,15.493) 11.456,15.556 11.483,15.583 13.562,15.583 15.379,17.4 15.555,17.576 cw(c15.618,17.513) 15.681,17.576 15.731,17.526 ccw(c15.794,17.589) 15.857,17.526 15.911,17.58 ccw(c15.848,17.643) 15.911,17.705 15.861,17.755 cw(c15.924,17.818) 15.861,17.881 15.888,17.908 15.971,17.991 cw(c16.034,17.928) 16.097,17.991 16.147,17.941 ccw(c16.21,18.004) 16.272,17.941 16.326,17.995 ccw(c16.263,18.058) 16.326,18.121 16.13,18.318 cw(c16.193,18.38) 16.13,18.443 16.184,18.497 cw(c16.246,18.434) 16.309,18.497 16.506,18.301 ccw(c16.569,18.363) 16.632,18.301 16.685,18.354 ccw(c16.623,18.417) 16.685,18.48 16.635,18.53 cw(c16.698,18.593) 16.635,18.656 16.662,18.683 16.773,18.793 ccw(c16.71,18.856) 16.773,18.919 16.763,18.929 cw(c16.826,18.992) 16.763,19.055 16.898,19.19 17.183,19.19 17.361,19.367 17.361,20.074 17.645,20.358 18.047,20.358 18.224,20.536 18.224,20.866 cw(c18.313,20.866) 18.313,20.955 18.39,20.955 cw(c18.39,20.866) 18.479,20.866 18.479,19.854 ccw(c18.567,19.854) 18.567,19.765 18.644,19.765 ccw(c18.644,19.854) 18.732,19.854 18.732,20.307 18.975,20.55 ccw(c18.912,20.613) 18.975,20.676 18.876,20.775 cw(c18.939,20.838) 18.876,20.901 18.93,20.955 19.055,20.955 19.155,20.855 ccw(c19.218,20.918) 19.281,20.855 19.393,20.968 19.484,20.968 19.621,20.831 ccw(c19.684,20.894) 19.746,20.831 19.8,20.885 ccw(c19.737,20.948) 19.8,21.011 19.64,21.172 cw(c19.702,21.235) 19.64,21.298 19.693,21.351 cw(c19.756,21.289) 19.819,21.351 19.98,21.191 ccw(c20.043,21.254) 20.106,21.191 20.16,21.245 ccw(c20.097,21.307) 20.16,21.37 19.749,21.781 cw(c19.812,21.844) 19.749,21.906 19.803,21.96 cw(c19.866,21.898) 19.929,21.96 20.339,21.55 ccw(c20.402,21.613) 20.465,21.55 20.519,21.604 ccw(c20.456,21.667) 20.519,21.729 20.209,22.039 cw(c20.272,22.102) 20.209,22.165 20.263,22.218 cw(c20.326,22.156) 20.389,22.218 20.698,21.909 ccw(c20.761,21.972) 20.824,21.909 20.932,22.017 20.932,22.472 20.932,23.444 ccw(c20.843,23.444) 20.843,23.533 20.384,23.533 cw(c20.384,23.622) 20.295,23.622 20.295,23.698 cw(c20.384,23.698) 20.384,23.787 20.843,23.787 ccw(c20.843,23.876) 20.932,23.876 20.932,23.952 ccw(c20.843,23.952) 20.843,24.041 20.384,24.041 cw(c20.384,24.13) 20.295,24.13 20.295,24.206 cw(c20.384,24.206) 20.384,24.295 20.843,24.295 ccw(c20.843,24.384) 20.932,24.384 20.932,24.46 ccw(c20.843,24.46) 20.843,24.549 20.384,24.549 cw(c20.384,24.638) 20.295,24.638 20.295,24.714 cw(c20.384,24.714) 20.384,24.803 20.843,24.803 ccw(c20.843,24.892) 20.932,24.892 20.932,24.968 ccw(c20.843,24.968) 20.843,25.057 20.384,25.057 cw(c20.384,25.146) 20.295,25.146 20.295,25.222 cw(c20.384,25.222) 20.384,25.311 20.843,25.311 ccw(c20.843,25.4) 20.932,25.4 20.932,25.476 ccw(c20.843,25.476) 20.843,25.565 20.612,25.565 cw(c20.612,25.654) 20.523,25.654 20.523,25.692 20.33,25.885 v1(19.888,25.885)